# KiCad board sbc.kicad_pcb (continued)
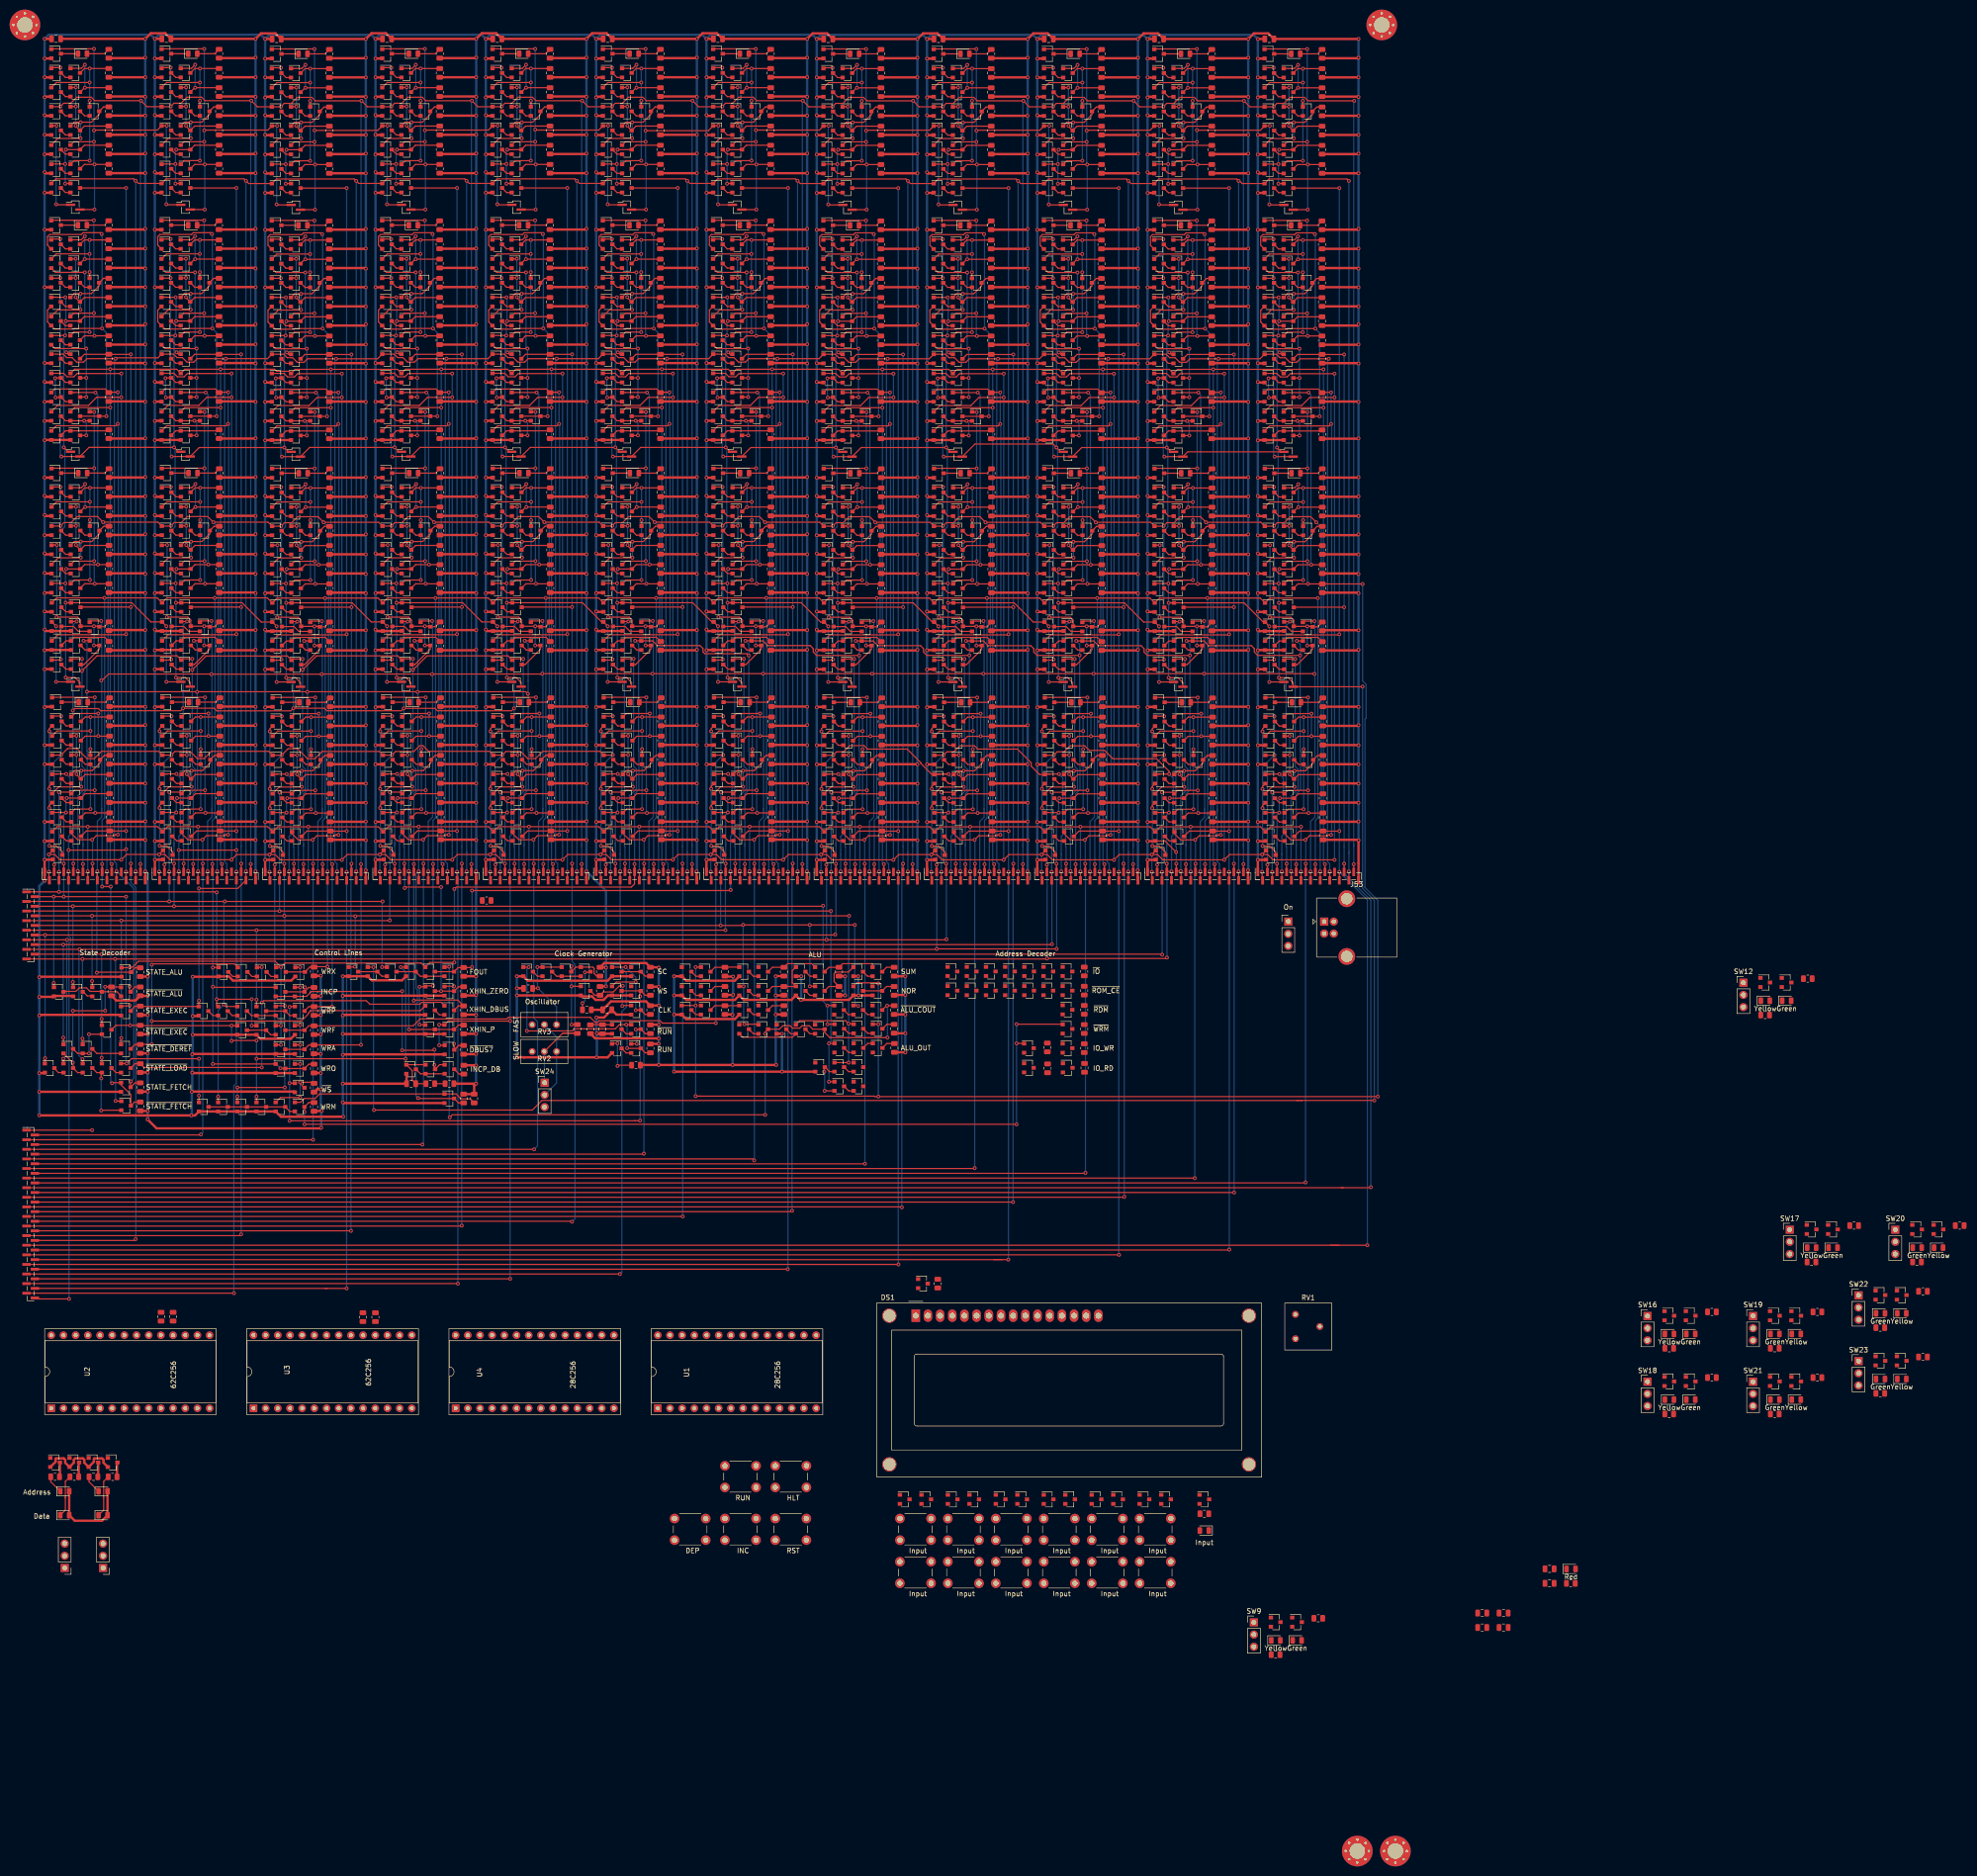
[diagram p0: board, top side]
## Routing (per net, layer and track width the routed paths; a pad name or vN(x,y) marks a point on that pad's centre or on a via; arc(x,y) is an arc through that point) (continued)
~{WS}: length 42.7
  Top w0.25: Q194.1 v1(57.4,168.15) ; Q198.3 57.4,160.1 v1(57.4,160.35) 60.06,160.35 R86.2 ; v1(57.4,184.35) 57.35,184.3 Q202.1 ; v1(57.4,157.15) 53.3,157.15 Q225.1 ; v1(57.4,172.25) 56.4,172.25 Q200.1 ; Q186.1 v1(57.4,164.15) ; v1(57.4,180.15) Q196.1
  Bottom w0.25: v1(57.4,184.35) v1(57.4,180.15) v1(57.4,172.25) v1(57.4,168.15) v1(57.4,164.15) v1(57.4,160.35) v1(57.4,157.15)
~{X0}: length 425
  Top w0.25: v1(261.55,244.72) 263.49,244.72 264.53,243.68 J47.2 278.97,242.82 v1(279,242.85) ; v1(261.65,267.36) Q1064.3 265.51,268.27 v1(268.3,268.27) R443.2 ; v1(261.5,264.36) 258.65,264.36 Q1061.1 ; Q1076.1 v1(267.75,304.17) ; v1(261.55,260.32) Q1050.1 ; 266.38,156.55 266.36,156.53 265.32,156.53 ; v1(72.8,154.55) 105.85,154.55 107.84,156.53 265.32,156.53 ; v1(281.45,156.55) 265.33,156.55 265.32,156.53 ; Q220.1 v1(72.7,184.35)
  Bottom w0.25: v1(267.75,304.17) 268.23,303.7 268.23,268.34 v1(268.3,268.27) ; v1(261.65,267.36) 261.5,267.21 v1(261.5,264.36) 261.5,260.37 v1(261.55,260.32) v1(261.55,244.72) ; v1(279,242.85) 279,200.75 281.45,198.3 v1(281.45,156.55) ; v1(72.7,184.35) 72.7,154.65 v1(72.8,154.55)
Net-(C4-Pad2): length 19.8
  Top w0.25: C4.2 105.95,179.95 v1(107,179.95) ; v1(106.9,184.35) Q232.1 Q228.1
  Bottom w0.25: RV3.3 110.88,176.07 v1(107,179.95) 106.9,180.05 v1(106.9,184.35)
Net-(C6-Pad2): length 10.9
  Top w0.25: Q240.1 Q242.1 80.77,162.78 80.77,160.78 C6.2 R106.1
Net-(D1-Pad1): length 3.6
  Top w0.25: Q4.3 D1.1
Net-(D1-Pad2): length 4.9
  Top w0.25: D1.2 16.59,374.85 R4.2
Net-(D2-Pad1): length 3.6
  Top w0.25: Q20.3 D2.1
Net-(D2-Pad2): length 4.9
  Top w0.25: R11.2 16.64,287.39 D2.2
Net-(D3-Pad1): length 3.6
  Top w0.25: Q44.3 D3.1
Net-(D3-Pad2): length 4.9
  Top w0.25: R20.2 16.57,339.1 D3.2
Net-(D4-Pad1): length 3.6
  Top w0.25: Q69.3 D4.1
Net-(D4-Pad2): length 4.9
  Top w0.25: R29.2 16.75,239.61 D4.2
Net-(D5-Pad1): length 3.6
  Top w0.25: Q93.3 D5.1
Net-(D5-Pad2): length 4.9
  Top w0.25: R40.2 39.59,374.85 D5.2
Net-(D6-Pad1): length 3.6
  Top w0.25: Q117.3 D6.1
Net-(D6-Pad2): length 4.9
  Top w0.25: R49.2 39.64,287.39 D6.2
Net-(D7-Pad1): length 3.6
  Top w0.25: Q142.3 D7.1
Net-(D7-Pad2): length 4.9
  Top w0.25: R58.2 39.57,339.1 D7.2
Net-(D8-Pad1): length 3.6
  Top w0.25: Q158.3 D8.1
Net-(D8-Pad2): length 4.9
  Top w0.25: R65.2 39.75,239.61 D8.2
Net-(D9-Pad1): length 3.6
  Top w0.25: Q292.3 D9.1
Net-(D9-Pad2): length 4.9
  Top w0.25: R127.2 62.59,374.82 D9.2
Net-(D10-Pad1): length 3.6
  Top w0.25: Q316.3 D10.1
Net-(D10-Pad2): length 4.9
  Top w0.25: R136.2 62.64,287.36 D10.2
Net-(D11-Pad1): length 3.6
  Top w0.25: Q341.3 D11.1
Net-(D11-Pad2): length 4.9
  Top w0.25: R145.2 62.57,339.07 D11.2
Net-(D12-Pad1): length 3.6
  Top w0.25: Q357.3 D12.1
Net-(D12-Pad2): length 4.9
  Top w0.25: R152.2 62.75,239.58 D12.2
Net-(D13-Pad1): length 3.6
  Top w0.25: Q375.3 D13.1
Net-(D13-Pad2): length 4.9
  Top w0.25: R161.2 85.61,374.85 D13.2
Net-(D14-Pad1): length 3.6
  Top w0.25: Q399.3 D14.1
Net-(D14-Pad2): length 4.9
  Top w0.25: R170.2 85.66,287.38 D14.2
Net-(D15-Pad1): length 3.6
  Top w0.25: Q424.3 D15.1
Net-(D15-Pad2): length 4.9
  Top w0.25: R179.2 85.59,339.09 D15.2
Net-(D16-Pad1): length 3.6
  Top w0.25: Q440.3 D16.1
Net-(D16-Pad2): length 4.9
  Top w0.25: R186.2 85.77,239.61 D16.2
Net-(D17-Pad1): length 3.6
  Top w0.25: Q458.3 D17.1
Net-(D17-Pad2): length 4.9
  Top w0.25: R195.2 108.61,374.85 D17.2
Net-(D18-Pad1): length 3.6
  Top w0.25: Q482.3 D18.1
Net-(D18-Pad2): length 4.9
  Top w0.25: R204.2 108.66,287.38 D18.2
Net-(D19-Pad1): length 3.6
  Top w0.25: Q507.3 D19.1
Net-(D19-Pad2): length 4.9
  Top w0.25: R213.2 108.59,339.09 D19.2
Net-(D20-Pad1): length 3.6
  Top w0.25: Q523.3 D20.1
Net-(D20-Pad2): length 4.9
  Top w0.25: R220.2 108.77,239.61 D20.2
Net-(D21-Pad1): length 3.6
  Top w0.25: Q541.3 D21.1
Net-(D21-Pad2): length 4.9
  Top w0.25: D21.2 131.64,374.85 R229.2
Net-(D22-Pad1): length 3.6
  Top w0.25: Q565.3 D22.1
Net-(D22-Pad2): length 4.9
  Top w0.25: R238.2 131.69,287.38 D22.2
Net-(D23-Pad1): length 3.6
  Top w0.25: Q590.3 D23.1
Net-(D23-Pad2): length 4.9
  Top w0.25: D23.2 131.62,339.09 R247.2
Net-(D24-Pad1): length 3.6
  Top w0.25: Q606.3 D24.1
Net-(D24-Pad2): length 4.9
  Top w0.25: D24.2 131.8,239.61 R254.2
Net-(D25-Pad1): length 3.6
  Top w0.25: Q624.3 D25.1
Net-(D25-Pad2): length 4.9
  Top w0.25: R263.2 154.64,374.85 D25.2
Net-(D26-Pad1): length 3.6
  Top w0.25: Q648.3 D26.1
Net-(D26-Pad2): length 4.9
  Top w0.25: D26.2 154.69,287.38 R272.2
Net-(D27-Pad1): length 3.6
  Top w0.25: Q673.3 D27.1
Net-(D27-Pad2): length 4.9
  Top w0.25: D27.2 154.62,339.09 R281.2
Net-(D28-Pad1): length 3.6
  Top w0.25: Q689.3 D28.1
Net-(D28-Pad2): length 4.9
  Top w0.25: R288.2 154.8,239.61 D28.2
Net-(D29-Pad1): length 3.6
  Top w0.25: Q707.3 D29.1
Net-(D29-Pad2): length 4.9
  Top w0.25: R297.2 177.64,374.82 D29.2
Net-(D30-Pad1): length 3.6
  Top w0.25: Q731.3 D30.1
Net-(D30-Pad2): length 4.9
  Top w0.25: D30.2 177.69,287.36 R306.2
Net-(D31-Pad1): length 3.6
  Top w0.25: Q756.3 D31.1
Net-(D31-Pad2): length 4.9
  Top w0.25: R315.2 177.62,339.07 D31.2
Net-(D32-Pad1): length 3.6
  Top w0.25: Q772.3 D32.1
Net-(D32-Pad2): length 4.9
  Top w0.25: D32.2 177.8,239.58 R322.2
Net-(D33-Pad1): length 3.6
  Top w0.25: Q790.3 D33.1
Net-(D33-Pad2): length 4.9
  Top w0.25: D33.2 200.64,374.82 R331.2
Net-(D34-Pad1): length 3.6
  Top w0.25: Q814.3 D34.1
Net-(D34-Pad2): length 4.9
  Top w0.25: D34.2 200.69,287.36 R340.2
Net-(D35-Pad1): length 3.6
  Top w0.25: Q839.3 D35.1
Net-(D35-Pad2): length 4.9
  Top w0.25: R349.2 200.62,339.07 D35.2
Net-(D36-Pad1): length 3.6
  Top w0.25: Q855.3 D36.1
Net-(D36-Pad2): length 4.9
  Top w0.25: D36.2 200.8,239.58 R356.2
Net-(D37-Pad1): length 3.6
  Top w0.25: Q873.3 D37.1
Net-(D37-Pad2): length 4.9
  Top w0.25: D37.2 223.64,374.82 R365.2
Net-(D38-Pad1): length 3.6
  Top w0.25: Q897.3 D38.1
Net-(D38-Pad2): length 4.9
  Top w0.25: D38.2 223.69,287.36 R374.2
Net-(D39-Pad1): length 3.6
  Top w0.25: Q922.3 D39.1
Net-(D39-Pad2): length 4.9
  Top w0.25: D39.2 223.62,339.07 R383.2
Net-(D40-Pad1): length 3.6
  Top w0.25: Q938.3 D40.1
Net-(D40-Pad2): length 4.9
  Top w0.25: D40.2 223.8,239.58 R390.2
Net-(D41-Pad1): length 3.6
  Top w0.25: Q956.3 D41.1
Net-(D41-Pad2): length 4.9
  Top w0.25: D41.2 246.64,374.82 R399.2
Net-(D42-Pad1): length 3.6
  Top w0.25: Q980.3 D42.1
Net-(D42-Pad2): length 4.9
  Top w0.25: R408.2 246.69,287.36 D42.2
Net-(D43-Pad1): length 3.6
  Top w0.25: Q1005.3 D43.1
Net-(D43-Pad2): length 4.9
  Top w0.25: D43.2 246.62,339.07 R417.2
Net-(D44-Pad1): length 3.6
  Top w0.25: Q1021.3 D44.1
Net-(D44-Pad2): length 4.9
  Top w0.25: D44.2 246.8,239.58 R424.2
Net-(D45-Pad1): length 3.6
  Top w0.25: Q1039.3 D45.1
Net-(D45-Pad2): length 4.9
  Top w0.25: R433.2 269.64,374.82 D45.2
Net-(D46-Pad1): length 3.6
  Top w0.25: Q1063.3 D46.1
Net-(D46-Pad2): length 4.9
  Top w0.25: R442.2 269.69,287.36 D46.2
Net-(D47-Pad1): length 3.6
  Top w0.25: Q1088.3 D47.1
Net-(D47-Pad2): length 4.9
  Top w0.25: D47.2 269.62,339.07 R451.2
Net-(D48-Pad1): length 3.6
  Top w0.25: Q1104.3 D48.1
Net-(D48-Pad2): length 4.9
  Top w0.25: R458.2 269.8,239.58 D48.2
Net-(D49-Pad1): length 3.8
  Top w0.25: D49.1 5.39,77.03 R466.1
Net-(D50-Pad1): length 9
  Top w0.25: D50.1 8.42,71.11 8.42,73.77 ; 8.42,73.77 8.42,73.61 ; 8.42,73.77 8.42,77.09 R468.1
Net-(D51-Pad1): length 3.8
  Top w0.25: D51.1 13.38,77.02 R474.1
Net-(D52-Pad1): length 9
  Top w0.25: R475.1 16.41,77.08 16.41,73.76 ; 16.41,73.76 16.41,73.61 ; 16.41,73.76 16.41,71.11 D52.1
Net-(Q2-Pad2): length 2.4
  Top w0.25: Q3.3 8.65,210.7 Q2.2
Net-(Q5-Pad2): length 2.4
  Top w0.25: Q5.2 8.45,345.9 Q6.3
Net-(Q7-Pad2): length 2.4
  Top w0.25: Q7.2 8.45,349.9 Q9.3
Net-(Q10-Pad1): length 39.6
  Top w0.25: v1(13.5,365.05) Q15.1 ; Q12.3 12.41,371.76 v1(13.51,371.76) R8.2 ; v1(13.5,368.85) 6.55,368.85 Q10.1 ; Q7.1 10.25,352.55 v1(13.5,352.55)
  Bottom w0.25: v1(13.51,371.76) 13.5,371.75 v1(13.5,368.85) v1(13.5,365.05) v1(13.5,352.55)
Net-(Q10-Pad3): length 2.4
  Top w0.25: Q10.3 8.45,365.9 Q8.2
Net-(Q11-Pad2): length 2.4
  Top w0.25: Q11.2 8.45,353.9 Q13.3
Net-(Q12-Pad1): length 14.5
  Top w0.25: Q8.3 12.41,367.76 v1(12.51,367.76) R6.2 ; Q12.1 11.75,371.8 v1(12.5,372.55)
  Bottom w0.25: v1(12.51,367.76) 12.5,367.78 v1(12.5,372.55)
Net-(Q12-Pad2): length 2.4
  Top w0.25: Q14.3 8.45,369.9 Q12.2
Net-(Q13-Pad1): length 20.1
  Top w0.25: v1(11.6,357.21) 11.56,357.17 6.87,357.17 Q13.1 ; 11.63,360.58 10.28,360.58 Q18.1 ; 11.63,360.58 13.88,360.58 15.5,362.2 Q15.3 16.41,363.76 R9.2 ; 11.63,360.58 v1(11.6,360.55)
  Bottom w0.25: v1(11.6,360.55) v1(11.6,357.21)
Net-(Q15-Pad2): length 2.4
  Top w0.25: Q15.2 12.45,361.9 Q16.3
Net-(Q16-Pad1): length 18
  Top w0.25: v1(10.6,363.85) 9.55,363.85 Q16.1 ; Q8.1 10.55,367.8 v1(10.6,367.85) ; v1(10.6,359.85) 10.6,359.75 Q18.3 12.41,359.76 R10.2
  Bottom w0.25: v1(10.6,359.85) v1(10.6,363.85) v1(10.6,367.85)
Net-(Q16-Pad2): length 2.4
  Top w0.25: Q16.2 8.45,361.9 Q17.3
Net-(Q18-Pad2): length 2.4
  Top w0.25: Q18.2 8.45,357.9 Q19.3
Net-(Q21-Pad2): length 2.3
  Top w0.25: Q21.2 12.55,250.5 Q26.3
Net-(Q22-Pad2): length 2.4
  Top w0.25: Q22.2 8.55,258.45 Q27.3
Net-(Q23-Pad2): length 2.4
  Top w0.25: Q23.2 8.55,246.5 Q28.3
Net-(Q24-Pad2): length 6.3
  Top w0.25: Q29.3 10.14,255.4 11.14,254.4 Q24.2
Net-(Q26-Pad1): length 11
  Top w0.25: R13.2 16.66,253.15 10.35,253.15 Q26.1 8.55,252.4 Q30.3
Net-(Q31-Pad1): length 39.6
  Top w0.25: Q36.3 12.46,284.3 v1(13.56,284.3) R17.2 ; v1(13.55,265.09) 10.3,265.09 Q31.1 ; v1(13.55,277.59) Q39.1 ; Q34.1 6.6,281.39 v1(13.55,281.39)
  Bottom w0.25: v1(13.55,265.09) v1(13.55,277.59) v1(13.55,281.39) 13.55,284.29 v1(13.56,284.3)
Net-(Q31-Pad2): length 2.4
  Top w0.25: Q33.3 8.5,262.44 Q31.2
Net-(Q32-Pad1): length 18
  Top w0.25: R19.2 12.46,272.3 Q42.3 10.65,272.29 v1(10.65,272.39) ; v1(10.65,280.39) 10.6,280.34 Q32.1 ; Q40.1 9.6,276.39 v1(10.65,276.39)
  Bottom w0.25: v1(10.65,280.39) v1(10.65,276.39) v1(10.65,272.39)
Net-(Q32-Pad2): length 2.4
  Top w0.25: Q34.3 8.5,278.44 Q32.2
Net-(Q32-Pad3): length 14.5
  Top w0.25: Q32.3 12.46,280.3 v1(12.56,280.3) R15.2 ; v1(12.55,285.09) 11.8,284.34 Q36.1
  Bottom w0.25: v1(12.55,285.09) 12.55,280.32 v1(12.56,280.3)
Net-(Q35-Pad2): length 2.4
  Top w0.25: Q37.3 8.5,266.44 Q35.2
Net-(Q36-Pad2): length 2.4
  Top w0.25: Q38.3 8.5,282.44 Q36.2
Net-(Q37-Pad1): length 20.1
  Top w0.25: R18.2 16.46,276.3 Q39.3 15.55,274.74 13.92,273.12 11.68,273.12 ; Q42.1 10.33,273.12 11.68,273.12 ; 11.68,273.12 v1(11.65,273.09) ; Q37.1 6.92,269.71 11.61,269.71 v1(11.65,269.75)
  Bottom w0.25: v1(11.65,273.09) v1(11.65,269.75)
Net-(Q39-Pad2): length 2.4
  Top w0.25: Q40.3 12.5,274.44 Q39.2
Net-(Q40-Pad2): length 2.4
  Top w0.25: Q41.3 8.5,274.44 Q40.2
Net-(Q42-Pad2): length 2.4
  Top w0.25: Q43.3 8.5,270.44 Q42.2
Net-(Q45-Pad2): length 2.4
  Top w0.25: Q46.3 8.45,310.3 Q45.2
Net-(Q47-Pad2): length 11.2
  Top w0.25: Q48.2 8.45,302.3 Q52.3 7.4,303.15 v1(6.4,303.15) ; v1(6.32,307.17) 6.39,307.25 Q51.3 8.45,306.3 Q47.2
  Bottom w0.25: v1(6.4,303.15) 6.32,303.23 v1(6.32,307.17)
Net-(Q49-Pad2): length 10.9
  Top w0.25: Q50.2 v1(12.35,298.3) Q49.2 8.45,298.3 Q53.3 ; Q54.3 v1(12.8,295.25)
  Bottom w0.25: v1(12.8,295.25) 12.8,297.85 v1(12.35,298.3)
Net-(Q54-Pad1): length 10.5
  Top w0.25: R22.2 17.29,296.2 Q54.1 8.45,296.2 Q55.3
Net-(Q56-Pad1): length 39.6
  Top w0.25: Q61.3 12.39,336.01 v1(13.49,336.01) R26.2 ; v1(13.48,316.8) 10.23,316.8 Q56.1 ; v1(13.48,329.3) Q64.1 ; Q59.1 6.53,333.1 v1(13.48,333.1)
  Bottom w0.25: v1(13.48,316.8) v1(13.48,329.3) v1(13.48,333.1) 13.48,336 v1(13.49,336.01)
Net-(Q56-Pad2): length 2.4
  Top w0.25: Q58.3 8.43,314.15 Q56.2
Net-(Q57-Pad1): length 18
  Top w0.25: R28.2 12.39,324.01 Q67.3 10.58,324 v1(10.58,324.1) ; v1(10.58,332.1) 10.53,332.05 Q57.1 ; Q65.1 9.53,328.1 v1(10.58,328.1)
  Bottom w0.25: v1(10.58,332.1) v1(10.58,328.1) v1(10.58,324.1)
Net-(Q57-Pad2): length 2.4
  Top w0.25: Q59.3 8.43,330.15 Q57.2
Net-(Q57-Pad3): length 14.5
  Top w0.25: Q57.3 12.39,332.01 v1(12.49,332.01) R24.2 ; v1(12.48,336.8) 11.73,336.05 Q61.1
  Bottom w0.25: v1(12.48,336.8) 12.48,332.02 v1(12.49,332.01)
Net-(Q60-Pad2): length 2.4
  Top w0.25: Q62.3 8.43,318.15 Q60.2
Net-(Q61-Pad2): length 2.4
  Top w0.25: Q63.3 8.43,334.15 Q61.2
Net-(Q62-Pad1): length 20.1
  Top w0.25: R27.2 16.39,328.01 Q64.3 15.48,326.45 13.85,324.82 11.61,324.82 ; Q67.1 10.26,324.82 11.61,324.82 ; 11.61,324.82 v1(11.58,324.8) ; Q62.1 6.85,321.42 11.54,321.42 v1(11.58,321.46)
  Bottom w0.25: v1(11.58,324.8) v1(11.58,321.46)
Net-(Q64-Pad2): length 2.4
  Top w0.25: Q65.3 12.43,326.15 Q64.2
Net-(Q65-Pad2): length 2.4
  Top w0.25: Q66.3 8.43,326.15 Q65.2
Net-(Q67-Pad2): length 2.4
  Top w0.25: Q68.3 8.43,322.15 Q67.2
Net-(Q72-Pad1): length 39.6
  Top w0.25: Q77.3 12.57,236.52 v1(13.67,236.52) R33.2 ; v1(13.66,217.31) 10.41,217.31 Q72.1 ; v1(13.66,229.81) Q80.1 ; Q75.1 6.71,233.61 v1(13.66,233.61)
  Bottom w0.25: v1(13.66,217.31) v1(13.66,229.81) v1(13.66,233.61) 13.66,236.51 v1(13.67,236.52)
Net-(Q72-Pad2): length 2.4
  Top w0.25: Q74.3 8.61,214.66 Q72.2
Net-(Q73-Pad1): length 18
  Top w0.25: R35.2 12.57,224.52 Q83.3 10.76,224.51 v1(10.76,224.61) ; v1(10.76,232.61) 10.71,232.56 Q73.1 ; Q81.1 9.71,228.61 v1(10.76,228.61)
  Bottom w0.25: v1(10.76,232.61) v1(10.76,228.61) v1(10.76,224.61)
Net-(Q73-Pad2): length 2.4
  Top w0.25: Q75.3 8.61,230.66 Q73.2
Net-(Q73-Pad3): length 17.1
  Top w0.25: R31.2 15.27,232.52 ; 15.27,232.52 15.23,232.52 ; 15.27,232.52 15.27,232.54 v1(15.29,232.55) 15.26,232.55 15.23,232.52 ; Q77.1 10.35,237.25 v1(15.29,237.25) ; Q73.3 12.57,232.52 15.23,232.52
  Bottom w0.25: v1(15.29,232.55) v1(15.29,237.25)
Net-(Q76-Pad2): length 2.4
  Top w0.25: Q78.3 8.61,218.66 Q76.2
Net-(Q77-Pad2): length 2.4
  Top w0.25: Q79.3 8.61,234.66 Q77.2
Net-(Q78-Pad1): length 20.1
  Top w0.25: R34.2 16.57,228.52 Q80.3 15.66,226.96 14.04,225.34 11.79,225.34 ; Q83.1 10.44,225.34 11.79,225.34 ; 11.79,225.34 v1(11.76,225.31) ; Q78.1 7.03,221.93 11.72,221.93 v1(11.76,221.97)
  Bottom w0.25: v1(11.76,225.31) v1(11.76,221.97)
Net-(Q80-Pad2): length 2.4
  Top w0.25: Q81.3 12.61,226.66 Q80.2
Net-(Q81-Pad2): length 2.4
  Top w0.25: Q82.3 8.61,226.66 Q81.2
Net-(Q83-Pad2): length 2.4
  Top w0.25: Q84.3 8.61,222.66 Q83.2
Net-(Q85-Pad2): length 2.4
  Top w0.25: Q86.3 31.65,210.7 Q85.2
Net-(Q87-Pad2): length 2.4
  Top w0.25: Q88.3 31.45,345.9 Q87.2
Net-(Q89-Pad1): length 39.6
  Top w0.25: Q95.3 35.41,371.76 v1(36.51,371.76) R42.2 ; v1(36.5,352.55) 33.25,352.55 Q89.1 ; v1(36.5,365.05) Q98.1 ; Q92.1 29.55,368.85 v1(36.5,368.85)
  Bottom w0.25: v1(36.5,352.55) v1(36.5,365.05) v1(36.5,368.85) 36.5,371.75 v1(36.51,371.76)
Net-(Q89-Pad2): length 2.4
  Top w0.25: Q91.3 31.45,349.9 Q89.2
Net-(Q90-Pad2): length 2.4
  Top w0.25: Q92.3 31.45,365.9 Q90.2
Net-(Q90-Pad3): length 14.5
  Top w0.25: Q90.3 35.41,367.76 v1(35.51,367.76) R39.2 ; v1(35.5,372.55) 34.75,371.8 Q95.1
  Bottom w0.25: v1(35.5,372.55) 35.5,367.78 v1(35.51,367.76)
Net-(Q94-Pad2): length 2.4
  Top w0.25: Q96.3 31.45,353.9 Q94.2
Net-(Q95-Pad2): length 2.4
  Top w0.25: Q97.3 31.45,369.9 Q95.2
Net-(Q98-Pad2): length 2.4
  Top w0.25: Q99.3 35.45,361.9 Q98.2
Net-(Q100-Pad3): length 2.4
  Top w0.25: Q100.3 31.45,361.9 Q99.2
Net-(Q101-Pad1): length 20.1
  Top w0.25: R43.2 39.41,363.76 Q98.3 38.5,362.2 36.88,360.58 34.63,360.58 ; Q101.1 33.28,360.58 34.63,360.58 ; 34.63,360.58 v1(34.6,360.55) ; Q96.1 29.87,357.17 34.56,357.17 v1(34.6,357.21)
  Bottom w0.25: v1(34.6,360.55) v1(34.6,357.21)
Net-(Q101-Pad2): length 2.4
  Top w0.25: Q102.3 31.45,357.9 Q101.2
Net-(Q101-Pad3): length 18
  Top w0.25: R44.2 35.41,359.76 Q101.3 33.6,359.75 v1(33.6,359.85) ; v1(33.6,367.85) 33.55,367.8 Q90.1 ; Q99.1 32.55,363.85 v1(33.6,363.85)
  Bottom w0.25: v1(33.6,367.85) v1(33.6,363.85) v1(33.6,359.85)
Net-(Q103-Pad2): length 2.3
  Top w0.25: Q108.3 35.55,250.5 Q103.2
Net-(Q104-Pad2): length 2.4
  Top w0.25: Q109.3 31.55,258.45 Q104.2
Net-(Q105-Pad2): length 2.4
  Top w0.25: Q110.3 31.55,246.5 Q105.2
Net-(Q106-Pad2): length 6.3
  Top w0.25: Q111.3 33.14,255.4 34.14,254.4 Q106.2
Net-(Q108-Pad1): length 11
  Top w0.25: R46.2 39.66,253.15 33.35,253.15 Q108.1 31.55,252.4 Q112.3
Net-(Q113-Pad1): length 39.6
  Top w0.25: Q119.3 35.46,284.3 v1(36.56,284.3) R51.2 ; v1(36.55,265.09) 33.3,265.09 Q113.1 ; v1(36.55,277.59) Q122.1 ; Q116.1 29.6,281.39 v1(36.55,281.39)
  Bottom w0.25: v1(36.55,265.09) v1(36.55,277.59) v1(36.55,281.39) 36.55,284.29 v1(36.56,284.3)
Net-(Q113-Pad2): length 2.4
  Top w0.25: Q115.3 31.5,262.44 Q113.2
Net-(Q114-Pad1): length 18
  Top w0.25: R53.2 35.46,272.3 Q125.3 33.65,272.29 v1(33.65,272.39) ; v1(33.65,280.39) 33.6,280.34 Q114.1 ; Q123.1 32.6,276.39 v1(33.65,276.39)
  Bottom w0.25: v1(33.65,280.39) v1(33.65,276.39) v1(33.65,272.39)
Net-(Q114-Pad2): length 2.4
  Top w0.25: Q116.3 31.5,278.44 Q114.2
Net-(Q114-Pad3): length 14.5
  Top w0.25: Q114.3 35.46,280.3 v1(35.56,280.3) R48.2 ; v1(35.55,285.09) 34.8,284.34 Q119.1
  Bottom w0.25: v1(35.55,285.09) 35.55,280.32 v1(35.56,280.3)
Net-(Q118-Pad2): length 2.4
  Top w0.25: Q120.3 31.5,266.44 Q118.2
Net-(Q119-Pad2): length 2.4
  Top w0.25: Q121.3 31.5,282.44 Q119.2
Net-(Q120-Pad1): length 20.1
  Top w0.25: R52.2 39.46,276.3 Q122.3 38.55,274.74 36.92,273.12 34.68,273.12 ; Q125.1 33.33,273.12 34.68,273.12 ; 34.68,273.12 v1(34.65,273.09) ; Q120.1 29.92,269.71 34.61,269.71 v1(34.65,269.75)
  Bottom w0.25: v1(34.65,273.09) v1(34.65,269.75)
Net-(Q122-Pad2): length 2.4
  Top w0.25: Q123.3 35.5,274.44 Q122.2
Net-(Q123-Pad2): length 2.4
  Top w0.25: Q124.3 31.5,274.44 Q123.2
Net-(Q125-Pad2): length 2.4
  Top w0.25: Q126.3 31.5,270.44 Q125.2
Net-(Q127-Pad2): length 2.4
  Top w0.25: Q128.3 31.45,310.3 Q127.2
Net-(Q129-Pad2): length 11.2
  Top w0.25: Q129.2 31.45,306.3 Q133.3 29.39,307.25 v1(29.32,307.17) ; Q130.2 31.45,302.3 Q134.3 30.4,303.15 v1(29.4,303.15)
  Bottom w0.25: v1(29.4,303.15) 29.32,303.23 v1(29.32,307.17)
Net-(Q131-Pad2): length 10.9
  Top w0.25: Q135.3 31.45,298.3 Q131.2 v1(35.35,298.3) Q132.2 ; Q136.3 v1(35.8,295.25)
  Bottom w0.25: v1(35.35,298.3) 35.8,297.85 v1(35.8,295.25)
Net-(Q136-Pad1): length 10.5
  Top w0.25: Q137.3 31.45,296.2 Q136.1 40.29,296.2 R55.2
Net-(Q138-Pad1): length 39.6
  Top w0.25: Q144.3 35.39,336.01 v1(36.49,336.01) R60.2 ; v1(36.48,316.8) 33.23,316.8 Q138.1 ; v1(36.48,329.3) Q147.1 ; Q141.1 29.53,333.1 v1(36.48,333.1)
  Bottom w0.25: v1(36.48,316.8) v1(36.48,329.3) v1(36.48,333.1) 36.48,336 v1(36.49,336.01)
Net-(Q138-Pad2): length 2.4
  Top w0.25: Q140.3 31.43,314.15 Q138.2
Net-(Q139-Pad1): length 18
  Top w0.25: R62.2 35.39,324.01 Q150.3 33.58,324 v1(33.58,324.1) ; v1(33.58,332.1) 33.53,332.05 Q139.1 ; Q148.1 32.53,328.1 v1(33.58,328.1)
  Bottom w0.25: v1(33.58,332.1) v1(33.58,328.1) v1(33.58,324.1)
Net-(Q139-Pad2): length 2.4
  Top w0.25: Q141.3 31.43,330.15 Q139.2
Net-(Q139-Pad3): length 14.5
  Top w0.25: Q139.3 35.39,332.01 v1(35.49,332.01) R57.2 ; v1(35.48,336.8) 34.73,336.05 Q144.1
  Bottom w0.25: v1(35.48,336.8) 35.48,332.02 v1(35.49,332.01)
Net-(Q143-Pad2): length 2.4
  Top w0.25: Q145.3 31.43,318.15 Q143.2
Net-(Q144-Pad2): length 2.4
  Top w0.25: Q146.3 31.43,334.15 Q144.2
Net-(Q145-Pad1): length 20.1
  Top w0.25: R61.2 39.39,328.01 Q147.3 38.48,326.45 36.86,324.82 34.61,324.82 ; Q150.1 33.26,324.82 34.61,324.82 ; 34.61,324.82 v1(34.58,324.8) ; Q145.1 29.85,321.42 34.54,321.42 v1(34.58,321.46)
  Bottom w0.25: v1(34.58,324.8) v1(34.58,321.46)
Net-(Q147-Pad2): length 2.4
  Top w0.25: Q148.3 35.43,326.15 Q147.2
Net-(Q148-Pad2): length 2.4
  Top w0.25: Q149.3 31.43,326.15 Q148.2
Net-(Q150-Pad2): length 2.4
  Top w0.25: Q151.3 31.43,322.15 Q150.2
Net-(Q154-Pad1): length 39.6
  Top w0.25: Q160.3 35.57,236.52 v1(36.67,236.52) R67.2 ; v1(36.66,217.31) 33.41,217.31 Q154.1 ; v1(36.66,229.81) Q163.1 ; Q157.1 29.71,233.61 v1(36.66,233.61)
  Bottom w0.25: v1(36.66,217.31) v1(36.66,229.81) v1(36.66,233.61) 36.66,236.51 v1(36.67,236.52)
Net-(Q154-Pad2): length 2.4
  Top w0.25: Q156.3 31.61,214.66 Q154.2
Net-(Q155-Pad1): length 18
  Top w0.25: R69.2 35.57,224.52 Q166.3 33.76,224.51 v1(33.76,224.61) ; v1(33.76,232.61) 33.71,232.56 Q155.1 ; Q164.1 32.71,228.61 v1(33.76,228.61)
  Bottom w0.25: v1(33.76,232.61) v1(33.76,228.61) v1(33.76,224.61)
Net-(Q155-Pad2): length 2.4
  Top w0.25: Q157.3 31.61,230.66 Q155.2
Net-(Q155-Pad3): length 17.1
  Top w0.25: Q155.3 35.57,232.52 38.23,232.52 ; 38.27,232.52 38.27,232.54 v1(38.29,232.55) 38.25,232.55 38.23,232.52 ; 38.27,232.52 R64.2 ; 38.27,232.52 38.23,232.52 ; Q160.1 33.35,237.25 v1(38.29,237.25)
  Bottom w0.25: v1(38.29,232.55) v1(38.29,237.25)
Net-(Q159-Pad2): length 2.4
  Top w0.25: Q161.3 31.61,218.66 Q159.2
Net-(Q160-Pad2): length 2.4
  Top w0.25: Q162.3 31.61,234.66 Q160.2
Net-(Q161-Pad1): length 20.1
  Top w0.25: R68.2 39.57,228.52 Q163.3 38.66,226.96 37.04,225.34 34.79,225.34 ; Q166.1 33.44,225.34 34.79,225.34 ; 34.79,225.34 v1(34.76,225.31) ; Q161.1 30.03,221.93 34.72,221.93 v1(34.76,221.97)
  Bottom w0.25: v1(34.76,225.31) v1(34.76,221.97)
Net-(Q163-Pad2): length 2.4
  Top w0.25: Q164.3 35.61,226.66 Q163.2
Net-(Q164-Pad2): length 2.4
  Top w0.25: Q165.3 31.61,226.66 Q164.2
Net-(Q166-Pad2): length 2.4
  Top w0.25: Q167.3 31.61,222.66 Q166.2
Net-(Q168-Pad2): length 2.4
  Top w0.25: Q168.2 19,162.35 Q171.3
Net-(Q169-Pad2): length 6.4
  Top w0.25: Q172.3 15,166.35 Q169.2
Net-(Q170-Pad2): length 15
  Top w0.25: v1(15.9,154.45) 15.95,154.5 Q170.2 ; Q171.2 15.9,162.2 v1(15.9,161.15) ; Q171.2 15,162.35 Q175.3 ; Q171.2 15.61,162.35
  Bottom w0.25: v1(15.9,154.45) v1(15.9,161.15)
Net-(Q172-Pad2): length 10.4
  Top w0.25: v1(13.35,166.35) Q172.2 11,166.35 Q174.3 ; Q173.2 v1(13.35,170.35)
  Bottom w0.25: v1(13.35,170.35) v1(13.35,166.35)
Net-(Q174-Pad2): length 32.2
  Top w0.25: 20.05,180.25 20.01,180.21 R76.2 18.01,180.25 v1(16.73,180.25) ; Q174.2 v1(9.98,164.43) 10.05,164.35 Q178.3 11,162.35 Q175.2 ; v1(10,175.25) v1(16.73,175.25)
  Bottom w0.25: v1(9.98,164.43) 9.98,175.23 v1(10,175.25) ; v1(16.73,175.25) v1(16.73,180.25)
Net-(Q176-Pad2): length 13
  Top w0.25: 20.05,178.35 19.17,179.23 16.12,179.23 16.05,179.3 13.56,179.3 12.84,180.03 11.34,180.03 10.61,179.3 8.05,179.3
Net-(Q178-Pad2): length 2.4
  Top w0.25: 6.05,163.3 7,162.35 Q178.2
Net-(Q179-Pad2): length 2.4
  Top w0.25: 12.05,179.3 13,178.35 14.05,178.35
Net-(Q189-Pad2): length 2.4
  Top w0.25: Q189.2 86.45,174.4 Q192.3
Net-(Q199-Pad2): length 6.4
  Top w0.25: Q205.3 Q206.3 51.25,170.25 Q199.2
Net-(Q201-Pad2): length 2.4
  Top w0.25: Q204.3 51.35,182.4 Q201.2
Net-(Q203-Pad2): length 6.4
  Top w0.25: Q203.2 55.25,174.25 Q208.3 Q209.3
Net-(Q204-Pad2): length 2.4
  Top w0.25: Q204.2 47.35,182.4 Q207.3
Net-(Q207-Pad2): length 2.4
  Top w0.25: Q210.3 43.35,182.4 Q207.2
Net-(Q208-Pad2): length 6.4
  Top w0.25: Q211.3 47.25,174.25 Q209.2 Q208.2
Net-(Q211-Pad2): length 2.4
  Top w0.25: Q214.3 43.25,174.25 Q211.2
Net-(Q212-Pad2): length 10.4
  Top w0.25: Q212.2 Q213.2 82.45,182.45 Q217.3 Q216.3
Net-(Q214-Pad2): length 2.4
  Top w0.25: Q214.2 39.2,174.25 Q215.3
Net-(Q216-Pad2): length 6.4
  Top w0.25: Q216.2 74.45,182.45 Q220.3 Q219.3
Net-(Q218-Pad2): length 18.4
  Top w0.25: Q221.3 Q222.3 Q223.3 Q224.3 Q225.3 55.25,154.25 Q218.2
Net-(Q228-Pad2): length 6.4
  Top w0.25: Q229.2 Q228.2 110.9,182.45 Q232.3
Net-(Q228-Pad3): length 24.3
  Top w0.25: R93.2 114.01,172.36 v1(114,172.35) ; v1(114,184.55) 114,183.45 Q228.3 114.9,184.35 Q229.1 118.44,184.35 118.73,184.06 118.73,183.01 119.25,182.49 R95.2 ; v1(114,180.35) Q230.1
  Bottom w0.25: v1(114,184.55) v1(114,180.35) v1(114,172.35)
Net-(Q229-Pad3): length 9.2
  Top w0.25: Q229.3 117.82,183.27 v1(116.82,183.27) ; R99.2 116.29,176.84 v1(116.3,176.85)
  Bottom w0.25: v1(116.82,183.27) 116.82,177.37 v1(116.3,176.85)
Net-(Q230-Pad3): length 14.1
  Top w0.25: v1(124.6,176.25) 124.7,176.35 Q231.1 ; Q230.3 118.86,178.49 R96.2 120.64,179.18 122.71,179.18 123.99,180.45 v1(124.7,180.45)
  Bottom w0.25: v1(124.7,180.45) 124.6,180.35 v1(124.6,176.25)
Net-(Q232-Pad2): length 2.4
  Top w0.25: Q232.2 106.9,182.45 Q235.3
Net-(Q236-Pad2): length 2.4
  Top w0.25: Q238.3 125.4,170.45 Q236.2
Net-(Q236-Pad3): length 7.7
  Top w0.25: R100.2 129.36,170.49 Q236.3 128.4,171.35 v1(127.4,171.35) ; Q237.1 v1(127.6,168.35)
  Bottom w0.25: v1(127.6,168.35) 127.6,171.15 v1(127.4,171.35)
Net-(Q237-Pad2): length 2.4
  Top w0.25: Q239.3 125.4,166.45 Q237.2
Net-(Q240-Pad2): length 6.4
  Top w0.25: Q242.3 82.5,162.1 Q240.2 Q241.2
Net-(Q241-Pad3): length 2.4
  Top w0.25: R107.2 90.55,162.05 Q241.3
Net-(Q243-Pad2): length 2.4
  Top w0.25: Q244.3 151.95,174.45 Q243.2
Net-(Q243-Pad3): length 3.7
  Top w0.25: Q243.3 155.91,176.31 R108.2
Net-(Q244-Pad1): length 6.4
  Top w0.25: Q244.1 148.96,176.31 R109.2 143.91,176.31 Q245.3
Net-(Q245-Pad2): length 2.4
  Top w0.25: Q245.2 139.95,174.45 Q247.3
Net-(Q246-Pad2): length 2.4
  Top w0.25: Q246.2 151.95,182.45 Q248.3
Net-(Q246-Pad3): length 10.8
  Top w0.25: Q246.3 155.91,184.31 R110.2 159.06,185.08 164.07,185.08 Q253.1